# Altium PCB neuro_module.PcbDoc (part 1 of 5) (continued)
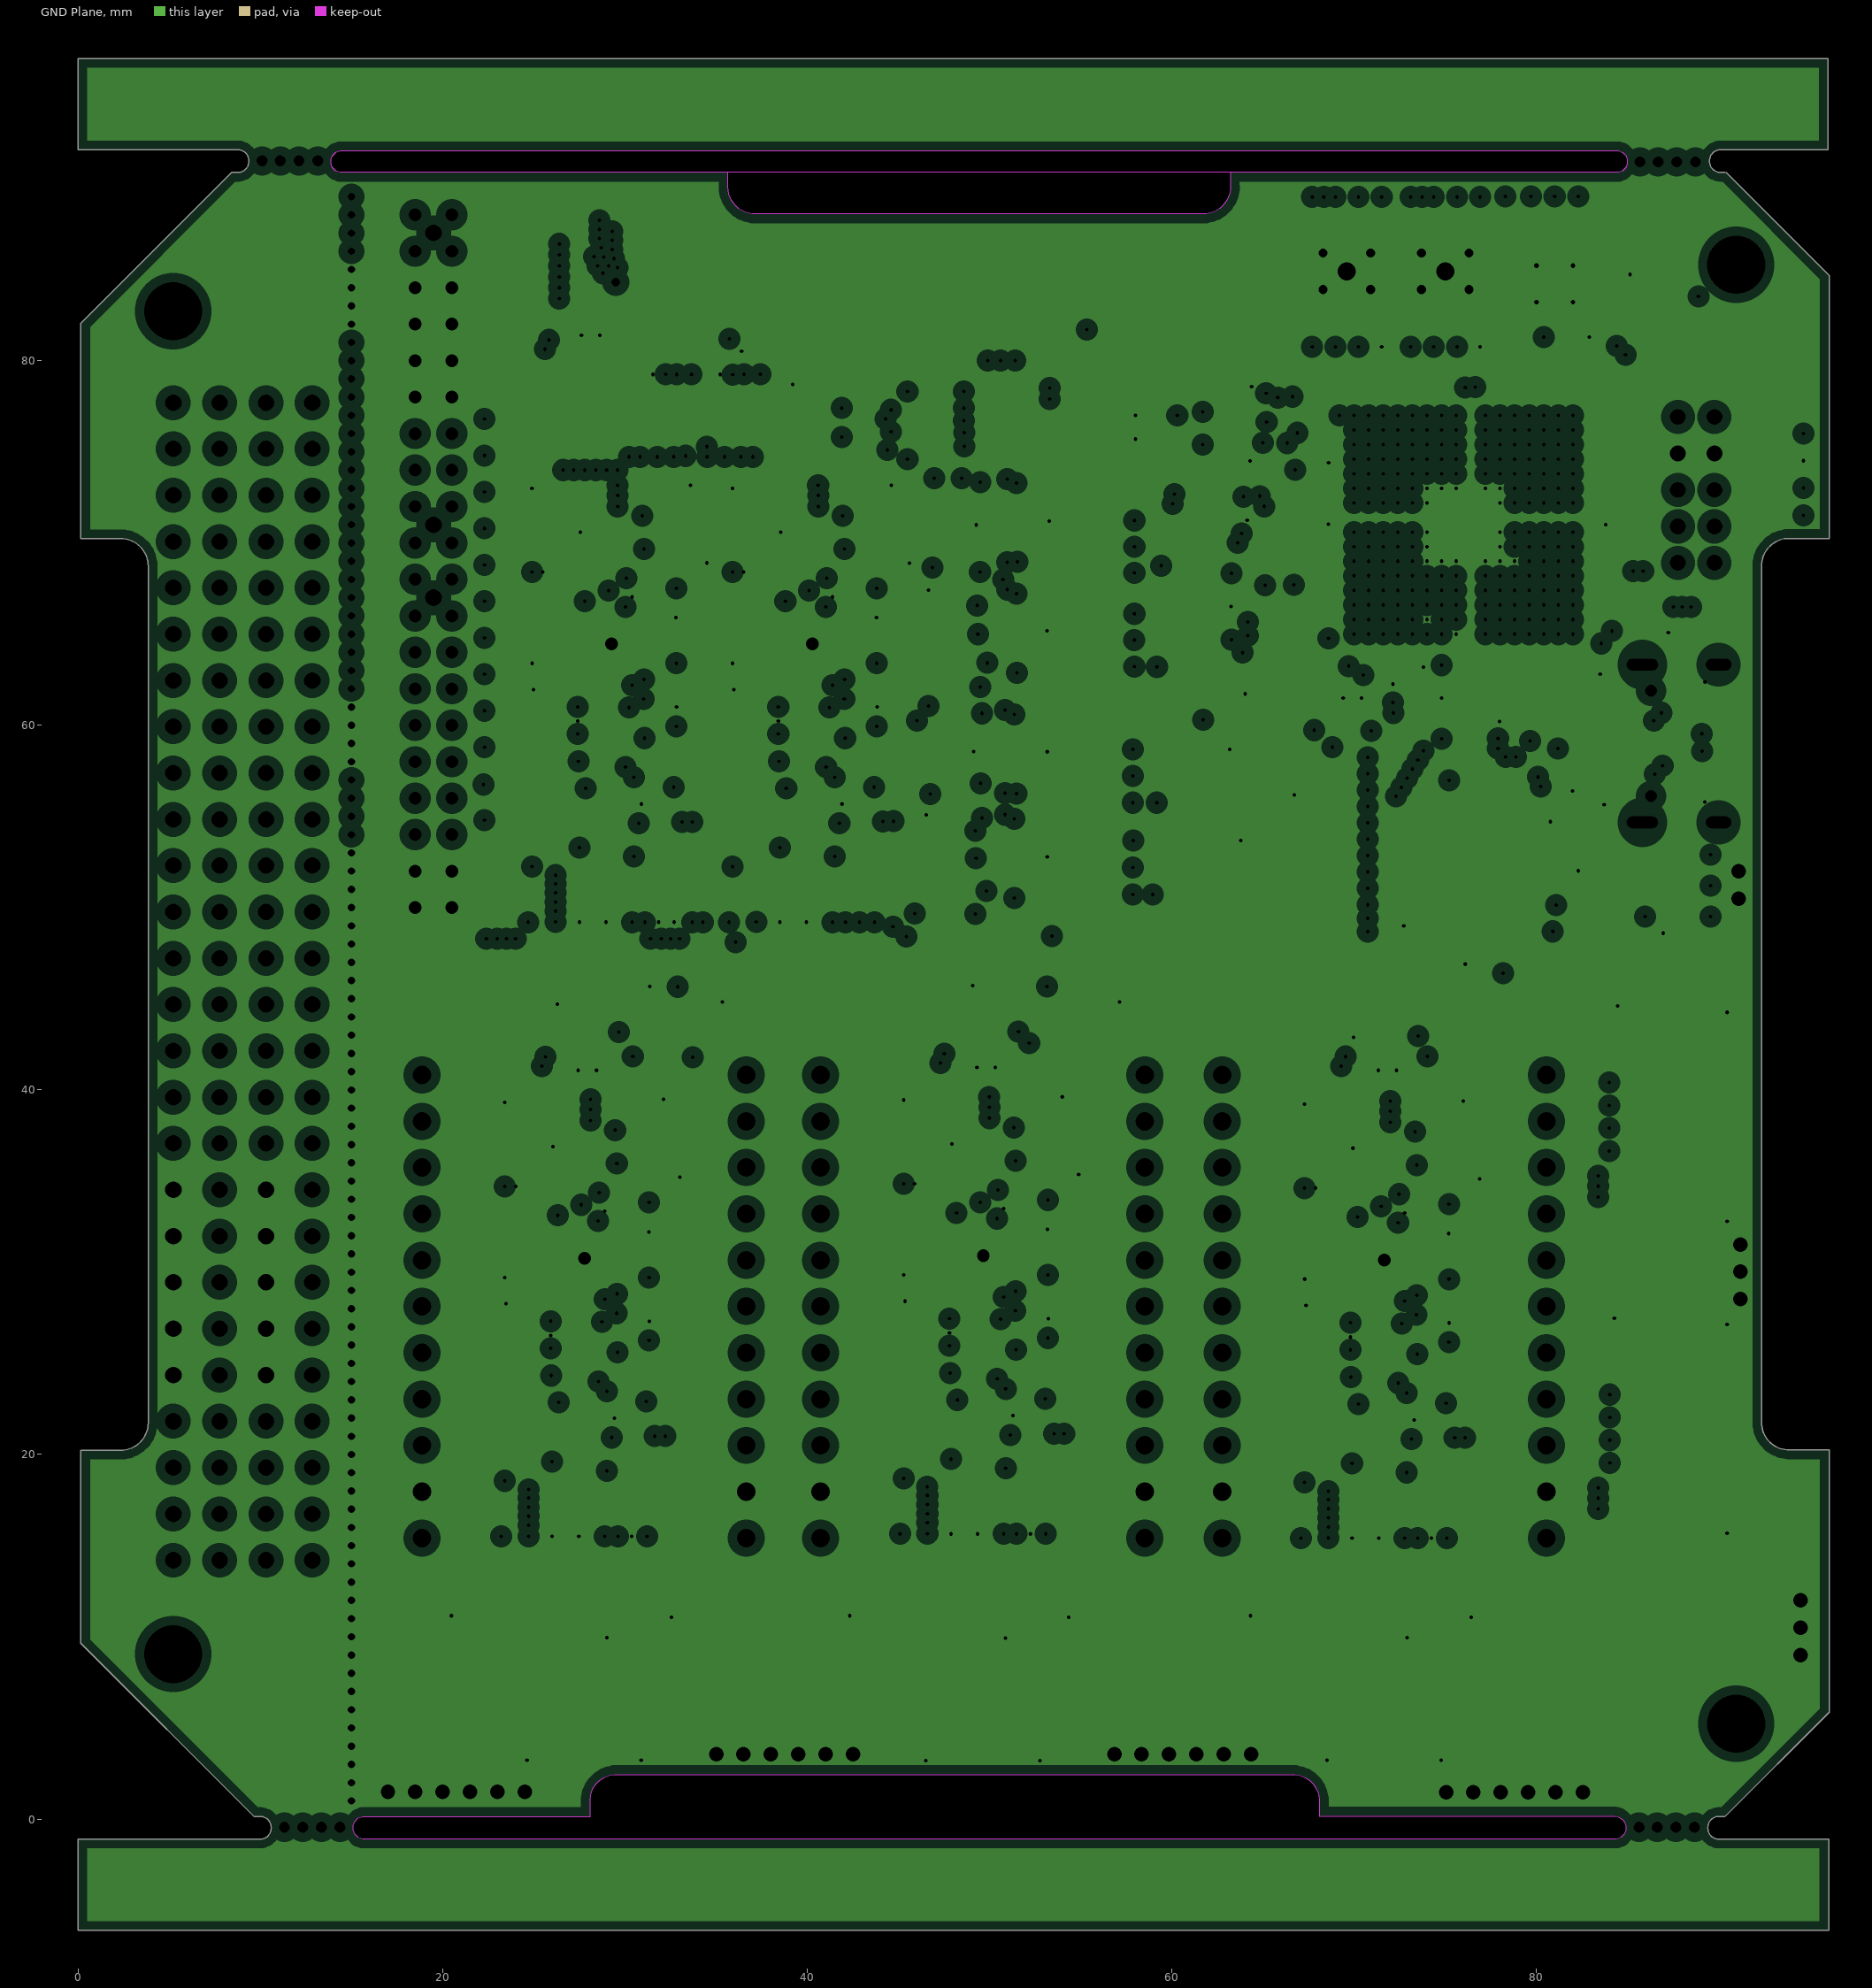
[diagram p4: GND Plane, clearances drawn from the general rule]
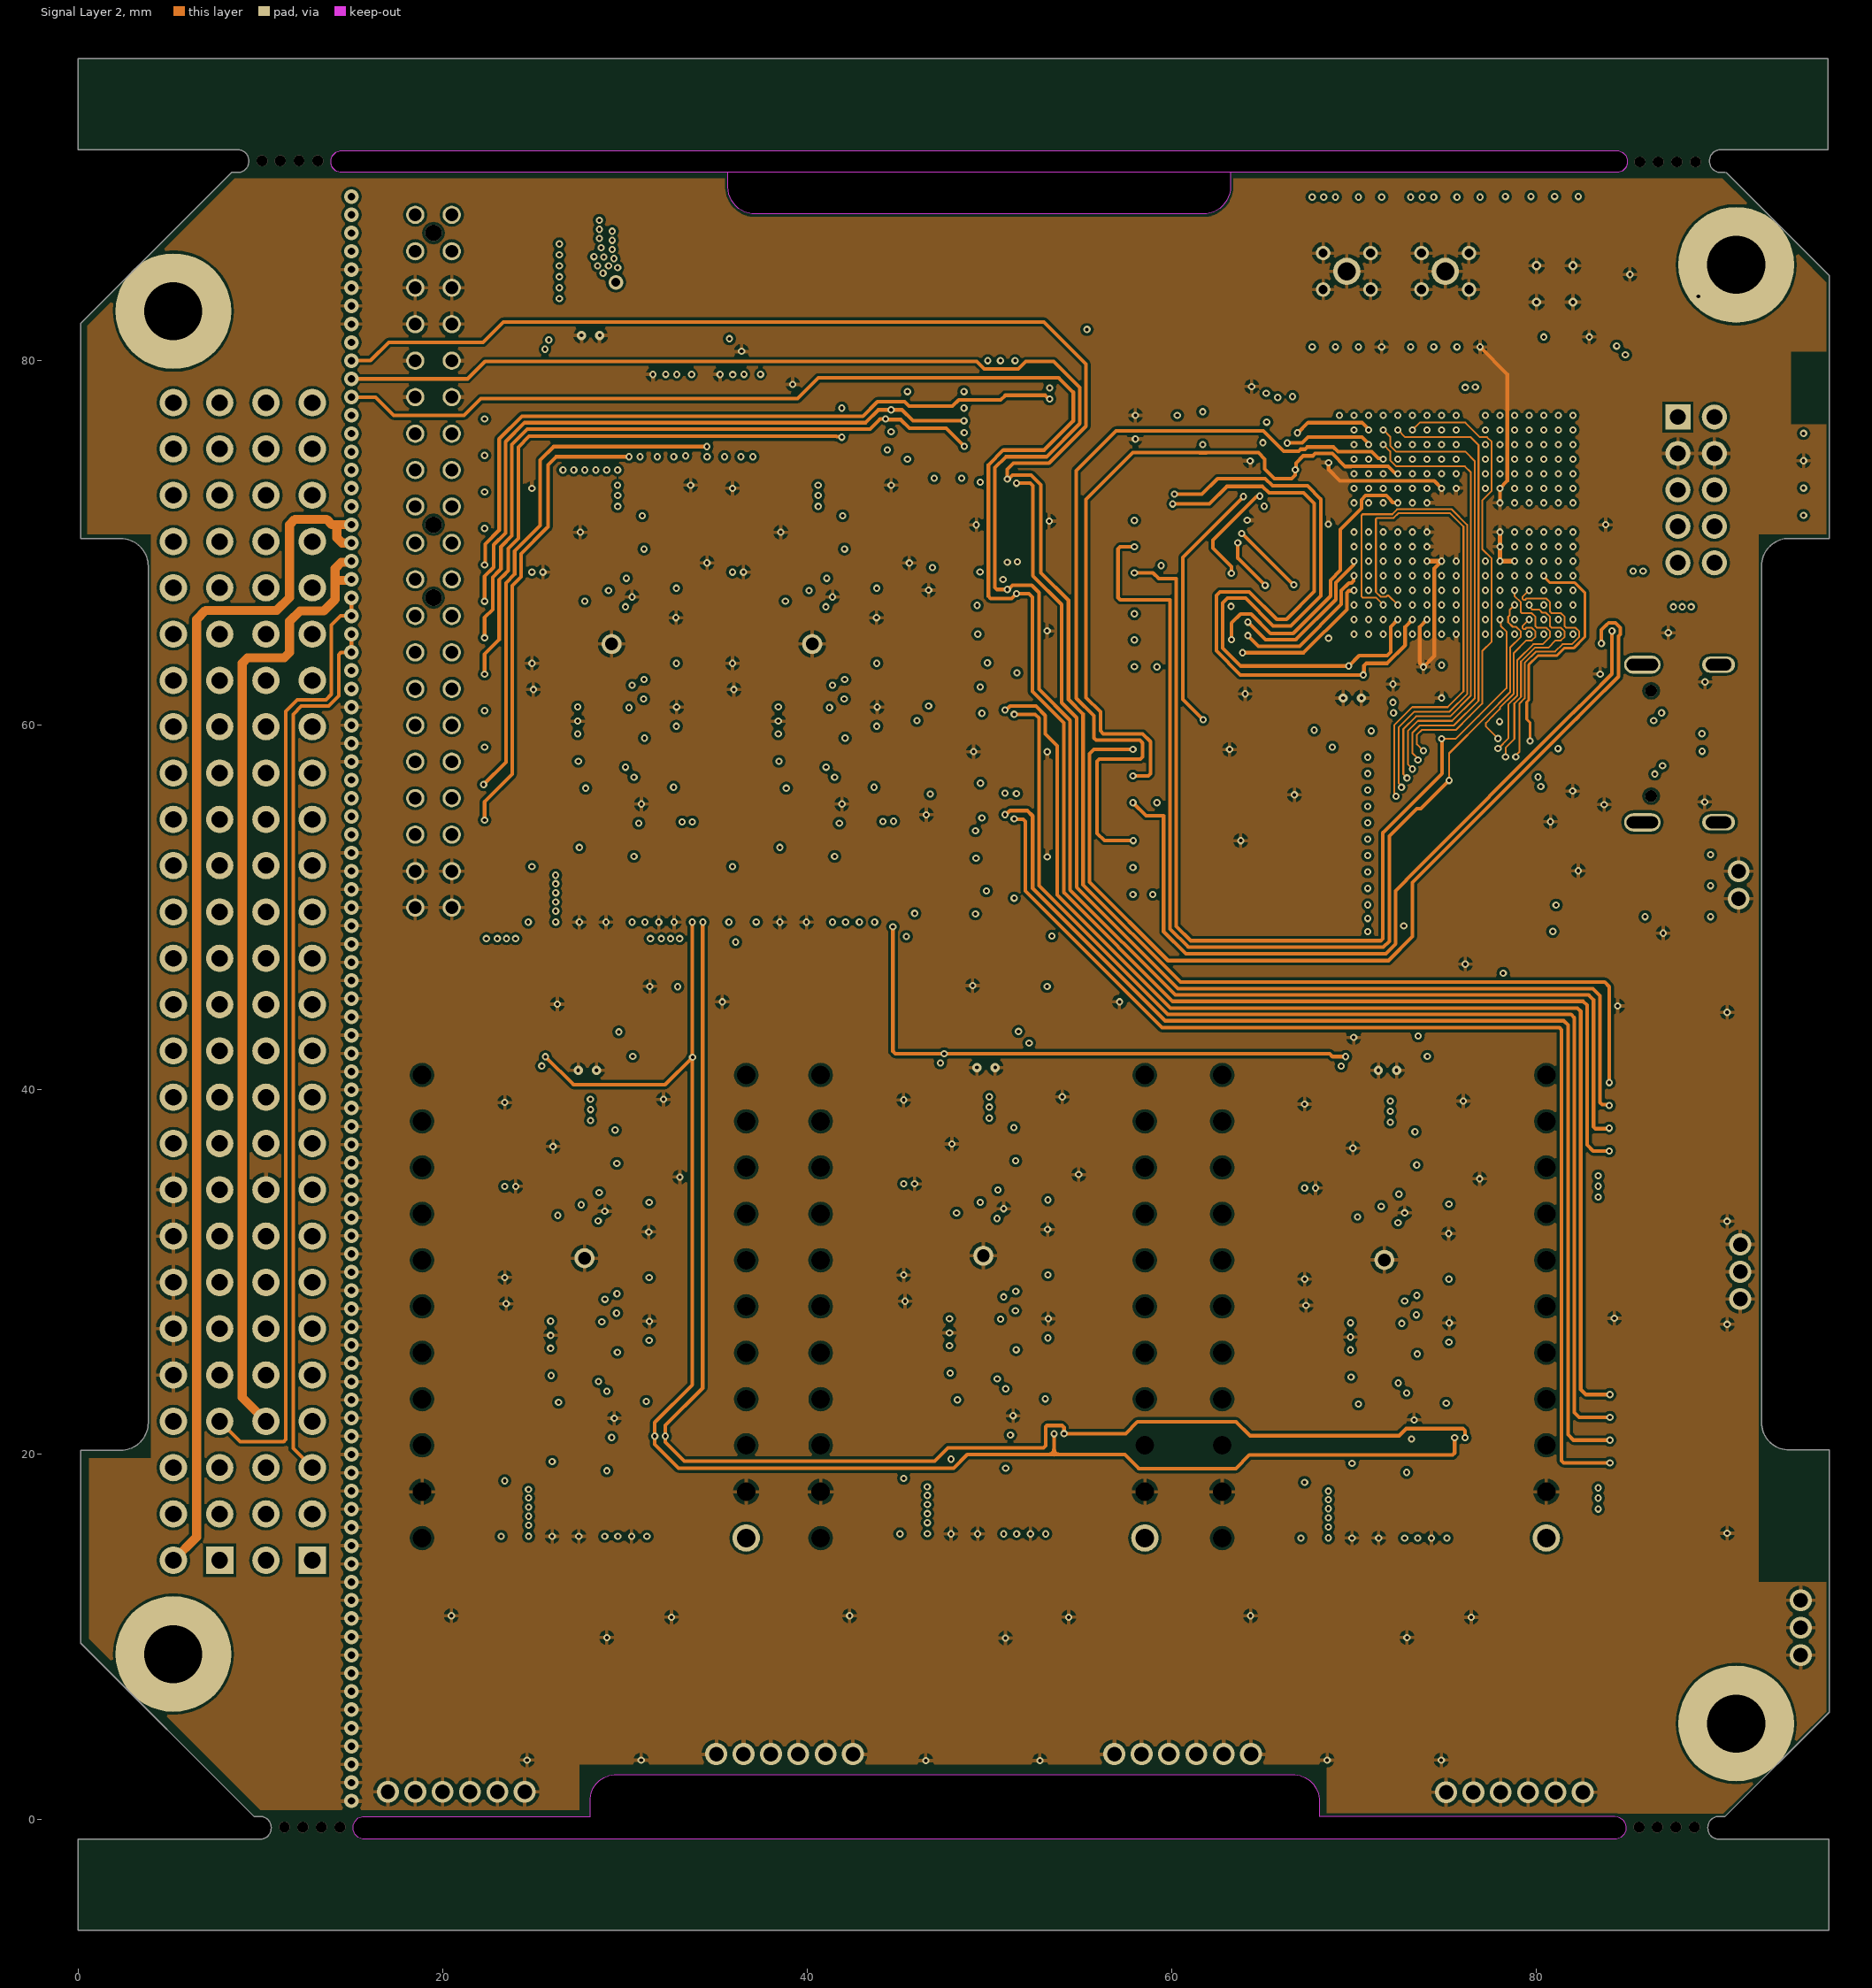
[diagram p5: Signal Layer 2]
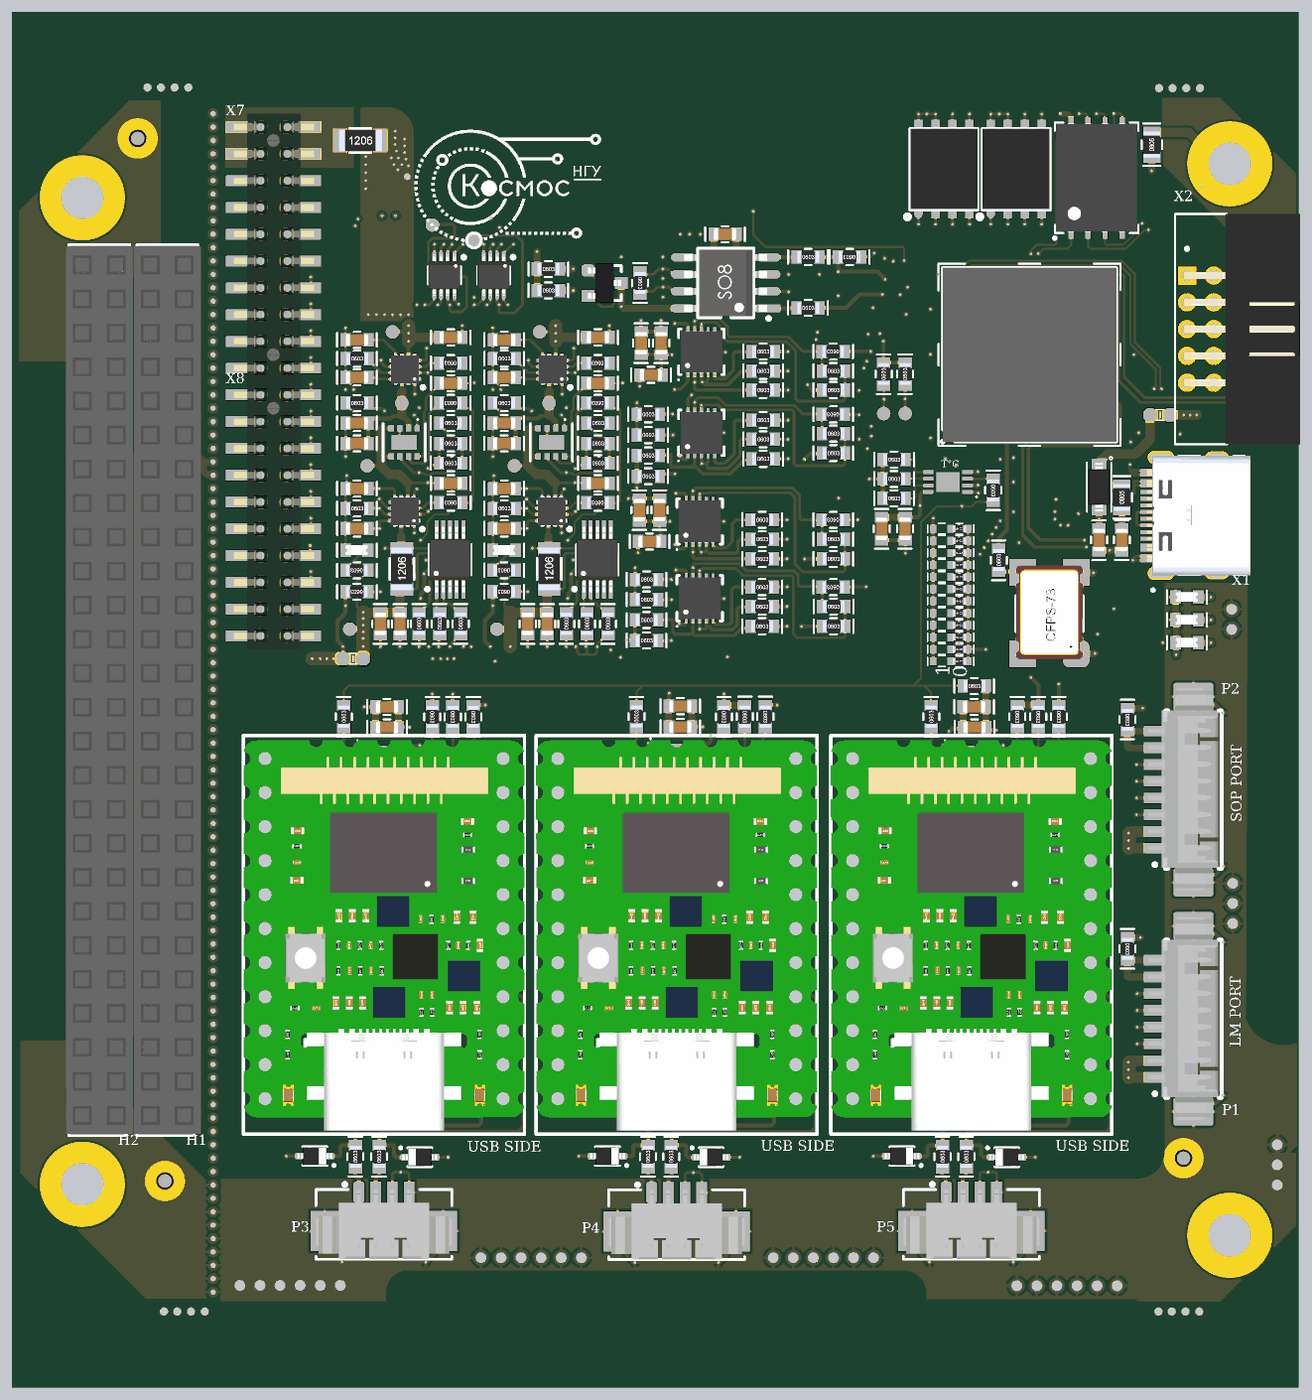
[diagram p10: 3D render of the assembled board from above, using the file's embedded part models]
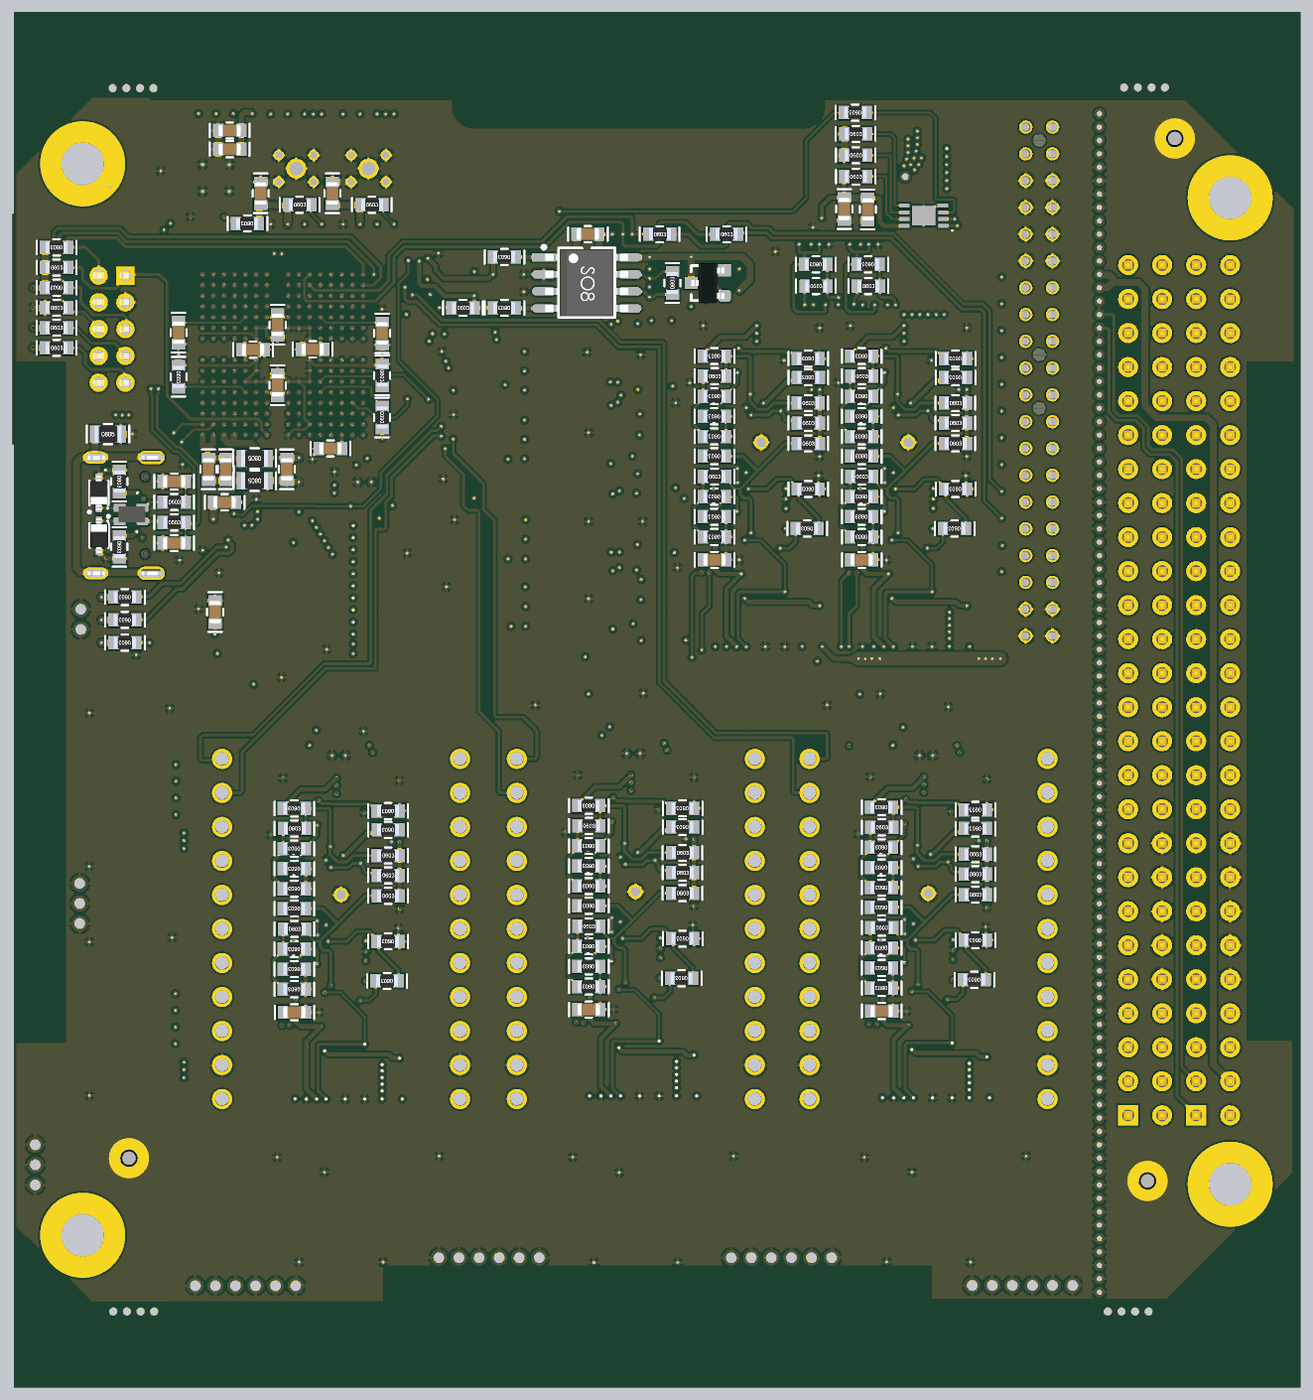
[diagram p11: 3D render of the assembled board from below, using the file's embedded part models]

## Layer stack, top to bottom
Top Solder: solder mask 0.01, Solder Resist, Dk 3.5
Top Layer: signal copper 0.03
Dielectric1: core 0.2, FR-4, Dk 4.8
Power Layer: signal copper 0.03
Dielectric3: prepreg 0.3, FR-4, Dk 4.8
Signal Layer 1: signal copper 0.03
Dielectric2: core 0.2, FR-4, Dk 4.8
GND Plane: plane copper 0.03, net GND
Dielectric5: prepreg 0.3, FR-4, Dk 4.8
Signal Layer 2: signal copper 0.03
Dielectric4: core 0.3, FR-4, Dk 4.8
Bottom Layer: signal copper 0.03
Bottom Solder: solder mask 0.01, Solder Resist, Dk 3.5

## Board outline
0,-6.1 0,-1.1 10,-1.1 9.995,-1.1 ccw(c9.995,-0.5) 10.595,-0.5 10.595,-0.45 ccw(c9.995,-0.45) 9.995,0.15 9.65,0.15 0.15,9.65 0.15,20.235 2.35,20.235 ccw(c2.35,21.735) 3.85,21.735 3.85,68.735 ccw(c2.35,68.735) 2.35,70.235 0.15,70.235 0.15,82.05 8.42,90.32 8.765,90.32 ccw(c8.765,90.92) 9.365,90.92 9.365,90.97 ccw(c8.765,90.97) 8.765,91.57 8.77,91.57 0,91.57 0,96.57 96,96.57 96,91.57 90.1,91.57 ccw(c90.1,90.97) 89.5,90.97 89.5,90.92 ccw(c90.1,90.92) 90.1,90.32 90.125,90.32 90.34,90.32 90.415,90.315 96.065,84.665 96.065,70.25 93.855,70.25 ccw(c93.855,68.75) 92.355,68.75 92.355,21.75 ccw(c93.855,21.75) 93.855,20.25 96.065,20.25 96.065,5.865 90.35,0.15 90.005,0.15 ccw(c90.005,-0.45) 89.405,-0.45 89.405,-0.5 ccw(c90.005,-0.5) 90.005,-1.1 90,-1.1 96.04,-1.1 96.04,-6.1
cut-out: 14.475,90.32 cw(c14.475,90.92) 13.875,90.92 cw(c14.475,90.92) 14.475,91.52 84.39,91.52 cw(c84.39,90.92) 84.99,90.92 cw(c84.39,90.92) 84.39,90.32 63.228,90.32 63.213,90.305 63.213,89.542 63.215,89.542 cw(c61.715,89.542) 61.715,88.042 37.15,88.042 cw(c37.15,89.542) 35.65,89.542 35.652,89.542 35.652,90.305 35.637,90.32
cut-out: 14.475,90.32 14.356,90.32 14.135,90.411 13.967,90.58 13.875,90.801 13.875,91.039 13.967,91.26 14.135,91.429 14.356,91.52 14.475,91.52 84.39,91.52 84.509,91.52 84.73,91.429 84.898,91.26 84.99,91.039 84.99,90.801 84.898,90.58 84.73,90.411 84.509,90.32 84.39,90.32
cut-out: 15.096,-0.475 15.096,-0.351 15.191,-0.121 15.367,0.055 15.597,0.15 15.721,0.15 28.091,0.15 28.091,0.995 28.091,1.138 28.147,1.419 28.257,1.684 28.416,1.922 28.619,2.125 28.857,2.284 29.122,2.394 29.403,2.45 29.546,2.45 66.621,2.45 66.766,2.45 67.051,2.393 67.32,2.282 67.561,2.121 67.767,1.915 67.928,1.674 68.039,1.405 68.096,1.12 68.096,0.975 68.096,0.171 84.242,0.171 84.306,0.171 84.433,0.146 84.552,0.097 84.659,0.025 84.75,-0.066 84.822,-0.173 84.871,-0.292 84.896,-0.418 84.896,-0.483 84.896,-0.606 84.802,-0.832 84.629,-1.006 84.402,-1.1 84.279,-1.1 15.721,-1.1 15.597,-1.1 15.367,-1.005 15.191,-0.829 15.096,-0.599 15.096,-0.475

## Design rules (kind name [scope] priority, off if disabled: settings)
Clearance Clearance_MCU [WithinRoom('MCU')] p1: gap=0.1 ignorepadtopadclearanceinfootprint=TRUE except(0.15: Arc-Poly Track-Poly SMDPad-Poly THPad-Poly Via-Poly Fill-Poly Poly-Poly)
Clearance [All] p2: gap=0.15 ignorepadtopadclearanceinfootprint=TRUE
ComponentClearance [All] p1: gap=0.254 collisioncheckmode=3 verticalgap=0.254 showdistances=FALSE checkcomponentboundary=TRUE
DiffPairsRouting [All] p1: maxlimit=0.254 minlimit=0.17 mostfreqgap=0.2 toplayer_minwidth=0.17 toplayer_maxwidth=0.381 toplayer_prefwidth=0.2 midlayer1_minwidth=0.17 midlayer1_maxwidth=0.381 midlayer1_prefwidth=0.2 midlayer2_minwidth=0.17 midlayer2_maxwidth=0.381 midlayer2_prefwidth=0.2 midlayer3_minwidth=0.17 midlayer3_maxwidth=0.381 midlayer3_prefwidth=0.2 bottomlayer_minwidth=0.17 bottomlayer_maxwidth=0.381 bottomlayer_prefwidth=0.2 maxuncoupledlength=10
HoleSize [All] p1: absolutevalues=TRUE maxlimit=4 minlimit=0.025 maxpercent=80.000 minpercent=20.000
HoleToHoleClearance [All] p1: gap=0.2 allowstackedmicrovias=TRUE
MinimumSolderMaskSliver [All] p1: minsoldermaskwidth=0.25
PlaneClearance [All] p1: clearance=0.508
PlaneConnect [All] p1: pad.planeconnectstyle=Relief pad.reliefexpansion=0.25 pad.reliefentries=4 pad.reliefconductorwidth=0.25 pad.reliefairgap=0.2 via.planeconnectstyle=Relief via.reliefexpansion=0.25 via.reliefentries=4 via.reliefconductorwidth=0.25 via.reliefairgap=0.25
PolygonConnect [(InNet('VBAT')  Or InNet('VBAT1')  Or InNet('VBAT2')  Or InNet('VB_SW_1')  Or  InNet('VB_SW_2')  Or  InNet('VB_SW_3')  Or  InNet('VB_SW_4')  Or  InNet('VB_SW_5'))] p1: connectstyle=Direct reliefconductorwidth=0.254 reliefentries=4 polygonreliefangle="90 Angle" airgapwidth=0.2
PolygonConnect PolygonConnect_4 [InNamedPolygon('Logo')] p2: connectstyle=Direct reliefconductorwidth=0.254 reliefentries=4 polygonreliefangle="90 Angle" airgapwidth=0.2
PolygonConnect PolygonConnect_2 [(InNet('V_ROW_1') OR InNet('V_ROW_2') OR InNet('V_ROW_3') OR InNet('V_ROW_4') OR InNet('V_ROW_5'))] p3: connectstyle=Direct reliefconductorwidth=0.254 reliefentries=4 polygonreliefangle="90 Angle" airgapwidth=0.2
PolygonConnect PolygonConnect_3 [(InNet('5V_PL1.1А') OR InNet('5V_PL1.1B') OR InNet('5V_PL1.2') OR InNet('5V_PL2') OR InNet('5V_PL_5') OR InNet('3V3'))] p4: connectstyle=Direct reliefconductorwidth=0.254 reliefentries=4 polygonreliefangle="90 Angle" airgapwidth=0.2
PolygonConnect PolygonConnect_1 [All] p5: connectstyle=Relief reliefconductorwidth=0.2 reliefentries=4 polygonreliefangle="90 Angle" airgapwidth=0.2
RoomDefinition lm_rs485 [InComponentClass('lm_rs485')] p1: confinementstyle=ConfineIn formatcopy=TRUE lockcomponents=FALSE outline 45.72,47.396 64.44,47.396 64.44,61.316 45.72,61.316
RoomDefinition nm_pwr2 [InComponentClass('nm_pwr2')] p2: confinementstyle=ConfineIn formatcopy=TRUE lockcomponents=FALSE outline 44.382,39.802 44.382,15.243 54.882,15.243 54.882,39.802
RoomDefinition nm_pwr1 [InComponentClass('nm_pwr1')] p3: confinementstyle=ConfineIn formatcopy=TRUE lockcomponents=TRUE outline 22.512,39.743 22.512,15.243 33.012,15.243 33.012,39.743
RoomDefinition sop_rs485 [InComponentClass('sop_rs485')] p4: confinementstyle=ConfineIn formatcopy=TRUE lockcomponents=FALSE outline 45.72,61.189 64.465,61.189 64.465,73.863 45.72,73.863
RoomDefinition nm_pwr3 [InComponentClass('nm_pwr3')] p5: confinementstyle=ConfineIn formatcopy=TRUE lockcomponents=FALSE outline 66.403,39.743 66.403,15.243 76.903,15.243 76.903,39.743
RoomDefinition pwr_0 [InComponentClass('pwr_0')] p6: confinementstyle=ConfineIn formatcopy=FALSE lockcomponents=FALSE outline 24,73.5 24,49 34.5,49 34.5,73.5
RoomDefinition MCU [InComponentClass('MCU')] p7: confinementstyle=ConfineIn formatcopy=TRUE lockcomponents=FALSE outline 67.658,67.646 67.658,71.265 67.658,74.404 68.146,74.404 68.146,78.854 83.854,78.854 83.854,74.454 84.729,74.454 84.729,71.165 84.729,67.546 83.854,67.546 83.854,63.146 82.88,63.146 82.88,60.659 80.022,60.659 80.022,60.504 76.189,60.504 76.189,60.63 74.774,60.63 74.774,63.071 70.646,63.071 70.646,63.146 68.146,63.146 68.146,64.495 67.658,64.495 67.658,67.646
RoomDefinition pwr_1 [InComponentClass('pwr_1')] p8: confinementstyle=ConfineIn formatcopy=TRUE lockcomponents=FALSE outline 35,73.5 35,49 45.5,49 45.5,73.5
RoutingVias [All] p1: holewidth=0.2 width=0.4 viastyle="Through Hole" minholewidth=0.2 minwidth=0.4 maxholewidth=5 maxwidth=7
SolderMaskExpansion [IsVia] p1: expansion=0.1 istentingtop=TRUE
SolderMaskExpansion SolderMaskExpansion_Others [All] p2: expansion=0.05 istentingtop=FALSE
UnRoutedNet [All] p1: checkbadconnections=TRUE
Width Width_MCU [All] p1: maxlimit=4 minlimit=0.1 preferedwidth=0.1
Width [All] p2: maxlimit=4 minlimit=0.15 preferedwidth=0.15
22 further rules are at their usual default settings.

## Classes and differential pairs
component class lm_rs485: C5_1 C6_1 C8_1 R7_1 R8_1 R10_1 R11_1 R15_1 R48_1 R49_1 R50_1 R53_1 R54_1 R57_1 R58_1 R59_1 R60_1 R61_1 R62_1 U17_1 U18_1
channel class nm_rs485_phy: lm_rs485 sop_rs485
channel class nm_pwr_single_ch: nm_pwr1 nm_pwr2 nm_pwr3 pwr_0 pwr_1
channel class nm_npu_proc: nm_1 nm_2 nm_3
component class nm_pwr3: C9_3 C10_3 C11_3 C12_3 C13_3 C14_3 C15_3 C16_3 C17_3 C18_3 C19_3 C32_3 D1_3 G1_3 R17_3 R20_3 R21_3 R22_3 R23_3 R24_3 R25_3 R26_3 R27_3 R28_3 R29_3 R30_3 R31_3 R32_3 R33_3 R34_3 R35_3 R36_3 R37_3 R38_3 R39_3 R40_3 R41_3 R42_3 R43_3 R44_3 R45_3 R81_3 R82_3 R83_3 R84_3 R85_3 TP1_3 TP2_3 TP3_3 TP6_3 U19_3 U20_3 U25_3
component class nm_pwr2: C9_2 C10_2 C11_2 C12_2 C13_2 C14_2 C15_2 C16_2 C17_2 C18_2 C19_2 C32_2 D1_2 G1_2 R17_2 R20_2 R21_2 R22_2 R23_2 R24_2 R25_2 R26_2 R27_2 R28_2 R29_2 R30_2 R31_2 R32_2 R33_2 R34_2 R35_2 R36_2 R37_2 R38_2 R39_2 R40_2 R41_2 R42_2 R43_2 R44_2 R45_2 R81_2 R82_2 R83_2 R84_2 R85_2 TP1_2 TP2_2 TP3_2 TP6_2 U19_2 U20_2 U25_2
component class nm_pwr1: C9_1 C10_1 C11_1 C12_1 C13_1 C14_1 C15_1 C16_1 C17_1 C18_1 C19_1 C32_1 D1_1 G1_1 R17_1 R20_1 R21_1 R22_1 R23_1 R24_1 R25_1 R26_1 R27_1 R28_1 R29_1 R30_1 R31_1 R32_1 R33_1 R34_1 R35_1 R36_1 R37_1 R38_1 R39_1 R40_1 R41_1 R42_1 R43_1 R44_1 R45_1 R81_1 R82_1 R83_1 R84_1 R85_1 TP1_1 TP2_1 TP3_1 TP6_1 U19_1 U20_1 U25_1
component class nm_3: H3_3 R63_3 R64_3 VD1_3 VD2_3
component class nm_2: H3_2 R63_2 R64_2 VD1_2 VD2_2
component class nm_1: H3_1 R63_1 R64_1 VD1_1 VD2_1
component class sop_rs485: C5_2 C6_2 C8_2 R7_2 R8_2 R10_2 R11_2 R15_2 R48_2 R49_2 R50_2 R53_2 R54_2 R57_2 R58_2 R59_2 R60_2 R61_2 R62_2 U17_2 U18_2
net class addr[11..0]: addr0 addr1 addr2 addr3 addr4 addr5 addr6 addr7 addr8 addr9 addr10 addr11
component class sys_can: C43 C44 R6 R18 R19 R55 R56 R67 R75 R102 R107 R108 U2 U3 VD6 VD7
component class pwr_1: C9_5 C10_5 C11_5 C12_5 C13_5 C14_5 C15_5 C16_5 C17_5 C18_5 C19_5 C32_5 D1_5 G1_5 R17_5 R20_5 R21_5 R22_5 R23_5 R24_5 R25_5 R26_5 R27_5 R28_5 R29_5 R30_5 R31_5 R32_5 R33_5 R34_5 R35_5 R36_5 R37_5 R38_5 R39_5 R40_5 R41_5 R42_5 R43_5 R44_5 R45_5 R81_5 R82_5 R83_5 R84_5 R85_5 TP1_5 TP2_5 TP3_5 TP6_5 U19_5 U20_5 U25_5
component class pwr_0: C9.5 C10.5 C11.5 C12.5 C13.5 C14.5 C15.5 C16.5 C17.5 C18.5 C19.5 C32.5 D1.5 G1.5 R17.5 R20.5 R21.5 R22.5 R23.5 R24.5 R25.5 R26.5 R27.5 R28.5 R29.5 R30.5 R31.5 R32.5 R33.5 R34.5 R35.5 R36.5 R37.5 R38.5 R39.5 R40.5 R41.5 R42.5 R43.5 R44.5 R45.5 R81.5 R82.5 R83.5 R84.5 R85.5 TP1.5 TP2.5 TP3.5 TP6.5 U19.5 U20.5 U25.5
component class temp_sensors: C1 C2 C31 C40 C42 C45 C46 C47 C48 C49 R9 R12 R13 R14 R16 R65 R66 R68 R69 R70 R71 R72 R76 R77 R78 R109 R110 R111 R112 R113 R114 U4 U5 U6 U7 U8
component class MCU: C3 C4 C7 C34 C35 C36 C37 C38 C39 C41 L4 L5 R89 R90 R91 S U1
component class nm_main: C33 D2 D3 D4 H1 H2 NT1 NT2 P1 P2 P3 P4 P5 R1 R2 R3 R4 R5 R51 R52 R79 R80 R86 R87 R88 R92 R93 R94 R95 R96 R103 R104 R105 R106 R115 RJ5 RJ6 RJ7 RJ8 RJ9 RJ10 RJ11 RJ12 RJ13 RJ14 RJ15 RJ16 RP1 RP2 RP3 RP4 RP5 RP6 TP4 TP5 TP7 TP8 U9 U10 X2 X7 X8 Y1
component class usb: C26 C27 C28 C29 C30 L1 L2 L3 R46 R47 R73 R74 VD3 VD4 VD5 X1
component class mem: C20 C21 C24 C25 DS1 DS2 R97 R98 R101 U21
differential pair USB_D: +USB_D_P -USB_D_N
